# Altium PCB FlightControl.PcbDoc (part 1 of 4)
Units mil, origin at the board's own origin, x right, y up, seen from the top; angles counter-clockwise.
Board outline 3041.49 x 3041.4 mil, 2 copper layers (Top Layer, Bottom Layer); 85 components, 57 nets, 277 pads, 426 vias.
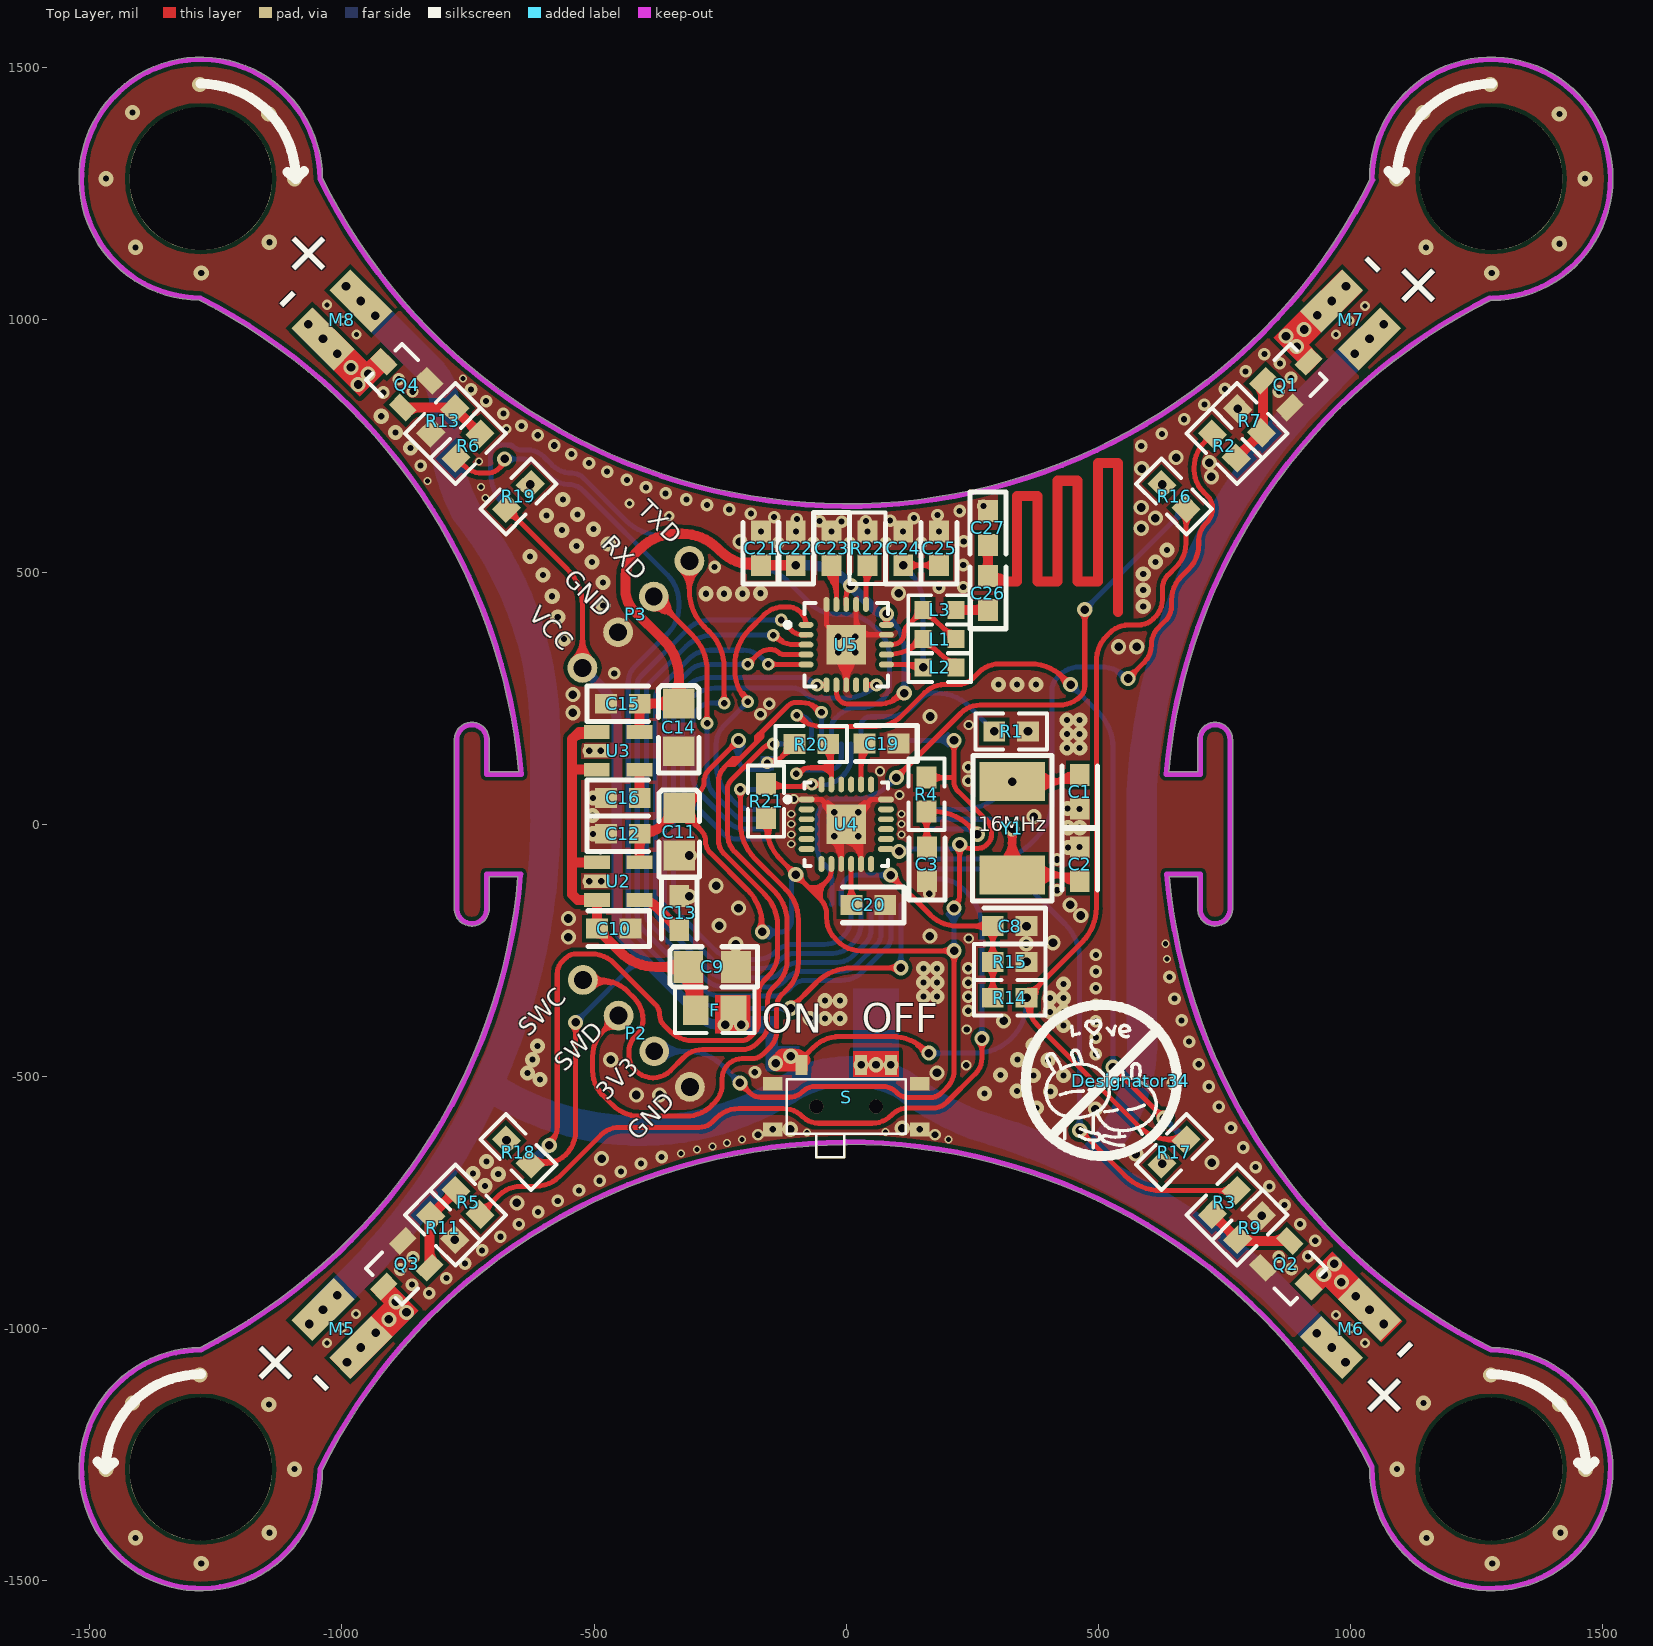
[diagram p0: Top Layer view]
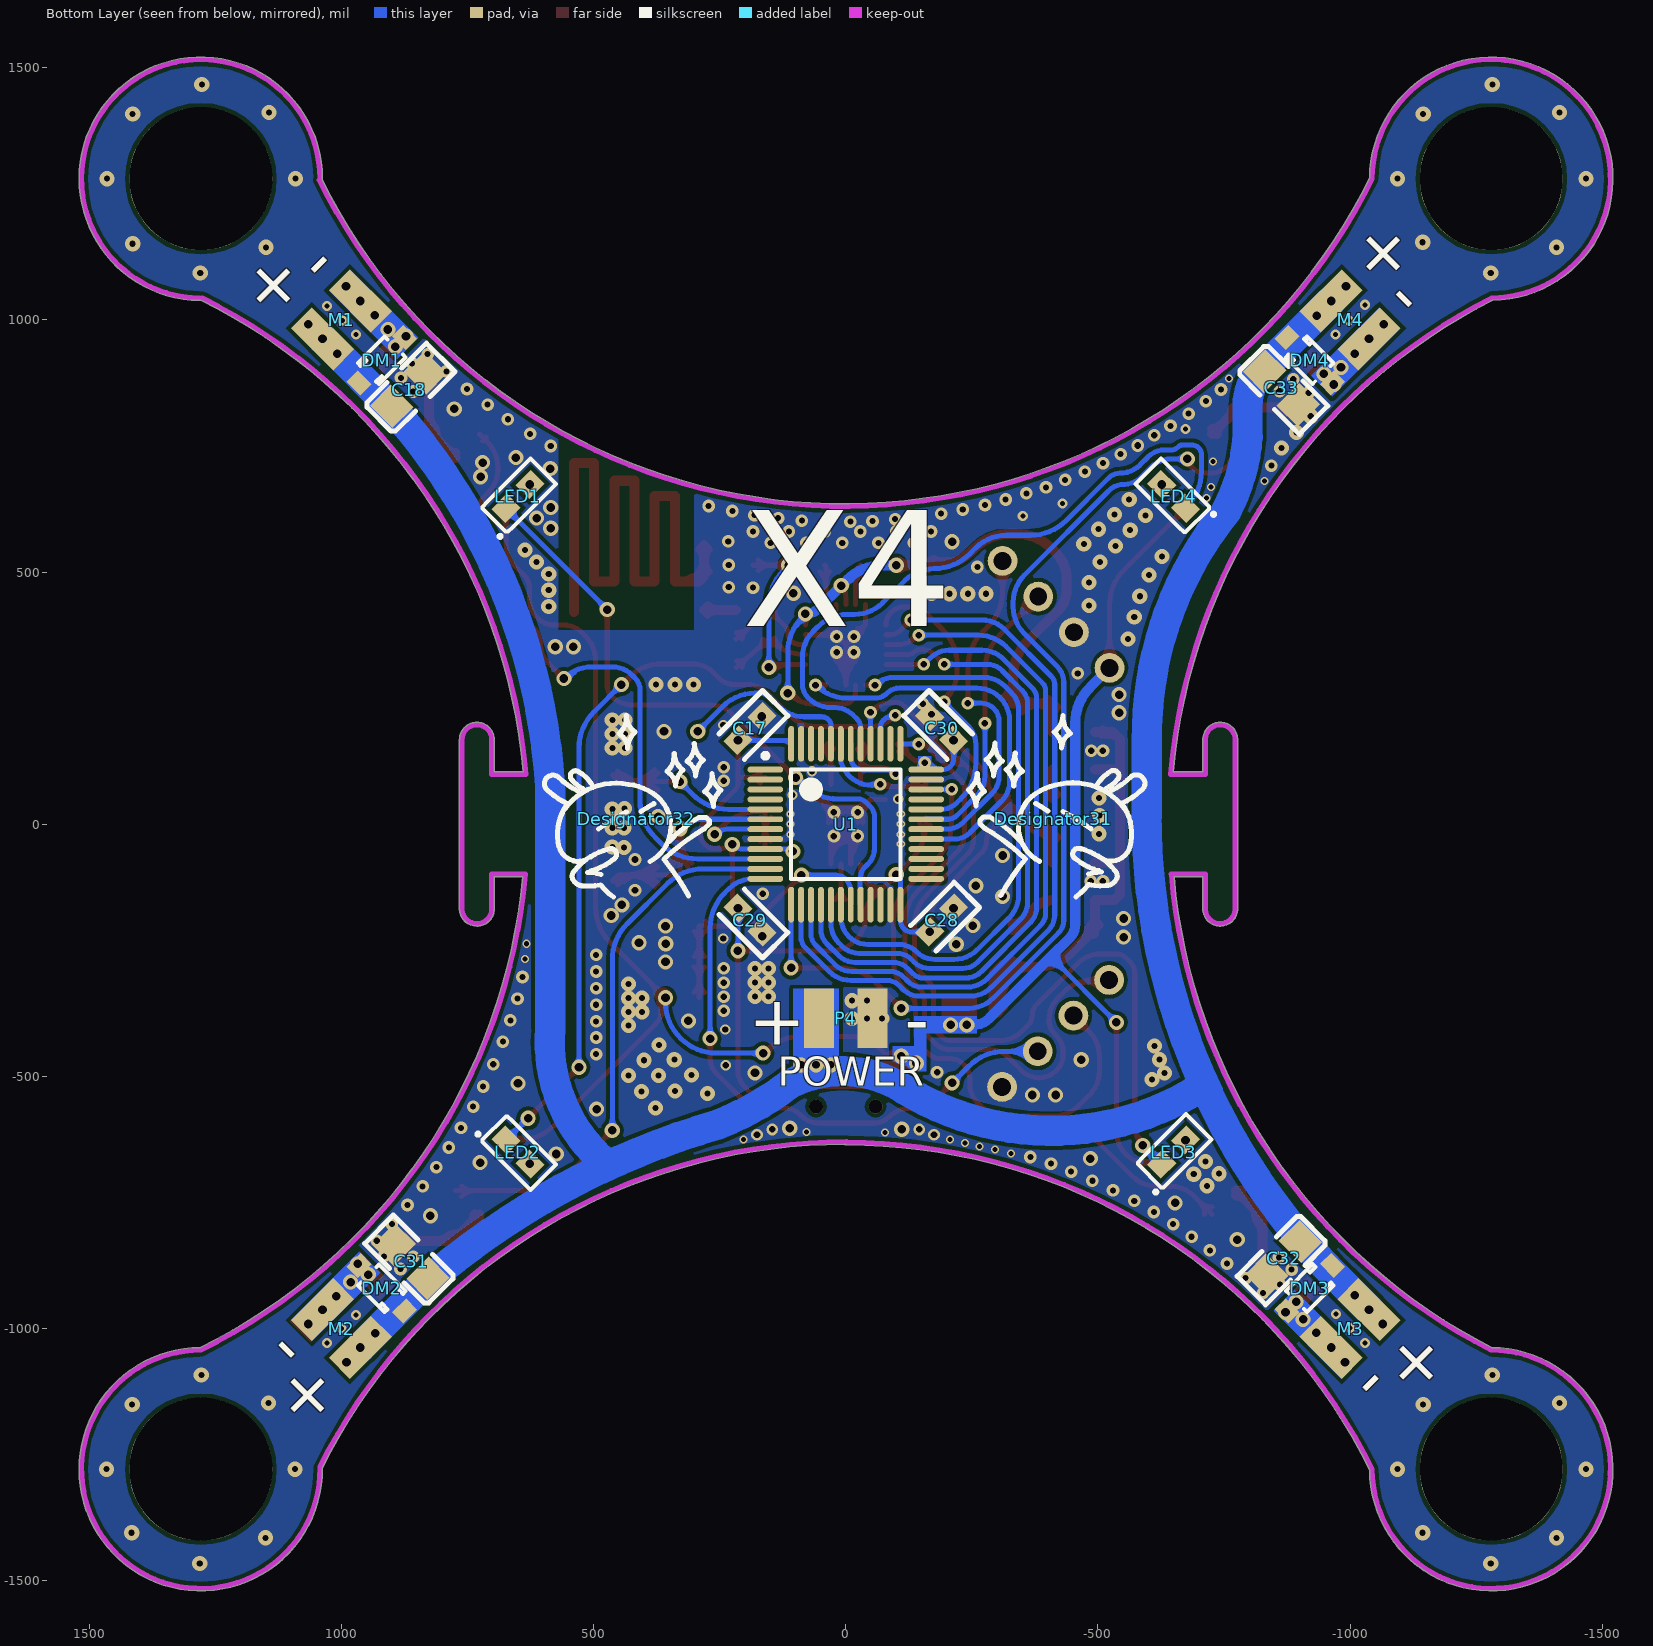
[diagram p1: Bottom Layer view, seen from below]
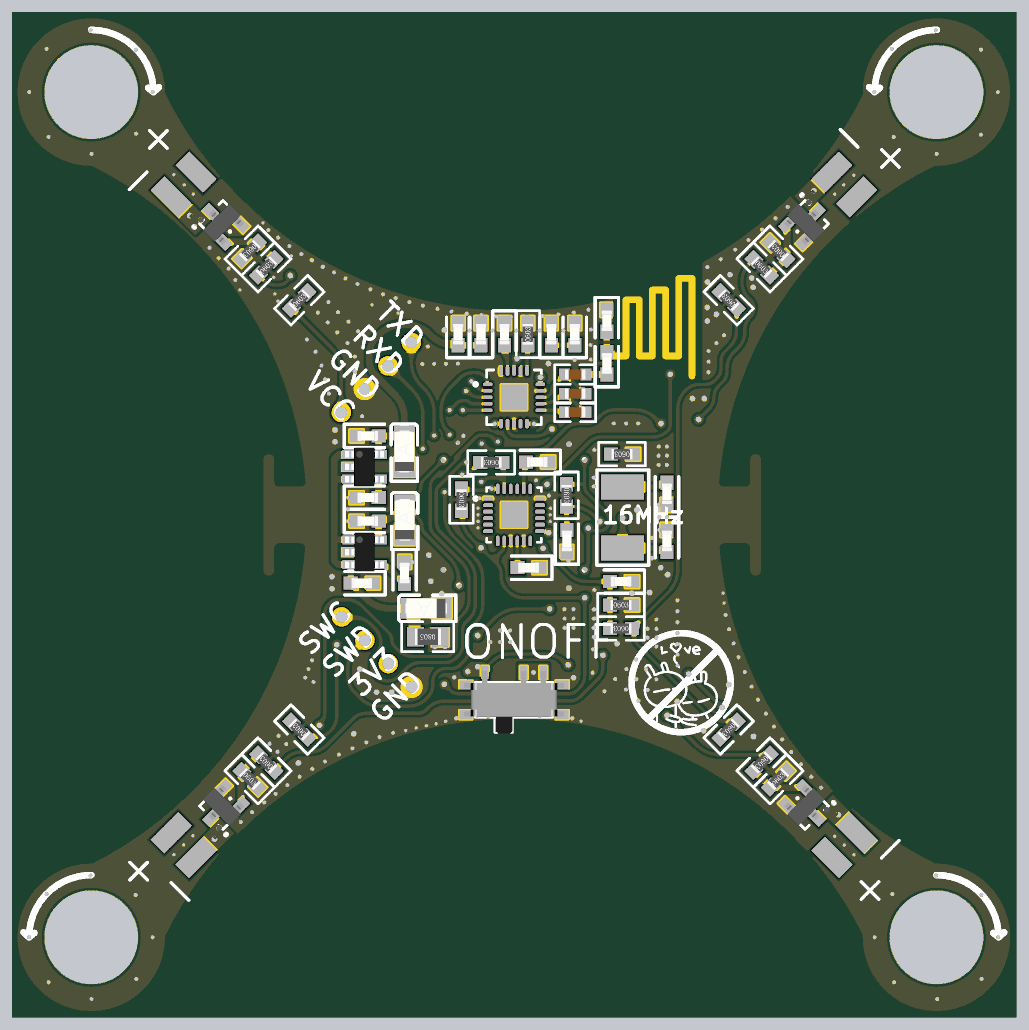
[diagram p5: 3D render of the assembled board from above, using the file's embedded part models]
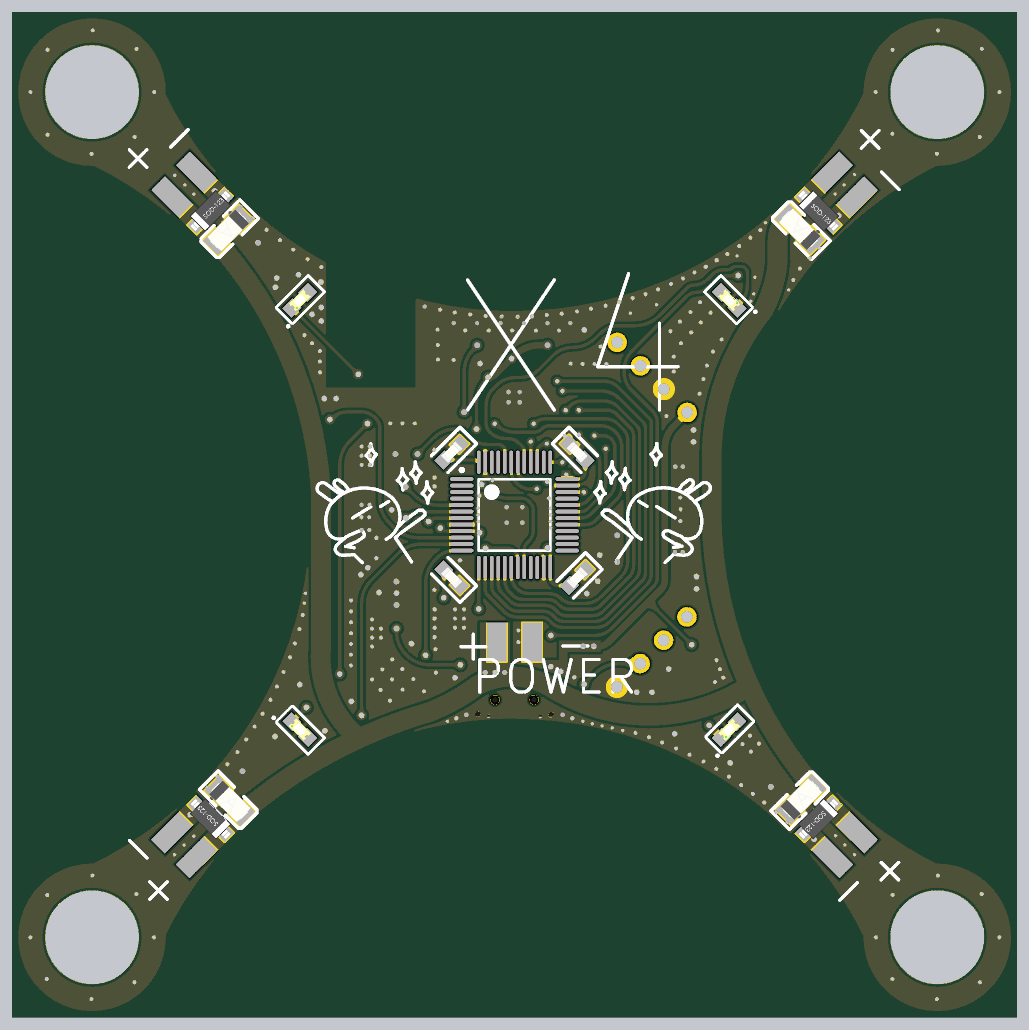
[diagram p6: 3D render of the assembled board from below, using the file's embedded part models]

## Layer stack, top to bottom
Top Layer: signal copper 1.4
Dielectric: dielectric 12.6, FR-4, Dk 4.8
Bottom Layer: signal copper 1.4

## Board outline
-1038.77,-1280.24 cw(c-1280,-1279.06) -1281.21,-1037.82 ccw(c-1811.32,-0.37) -650.9,-104.01 -707.98,-104.01 -707.98,-169.99 cw(c-713,-169.99) -708.33,-171.82 cw(c-742,-168) -743.09,-201.87 cw(c-743,-168) -776.64,-171.88 cw(c-772,-169.99) -777.02,-169.99 -777.02,168 cw(c-772,168) -776.84,169.29 cw(c-743,168) -742.41,201.86 cw(c-742.5,196.85) -742.25,201.86 cw(c-742,196.85) -742,201.87 cw(c-742,168) -708.36,171.88 cw(c-713,169.99) -707.98,169.99 -707.98,104.01 -649.67,104.01 ccw(c-1810.06,0) -1282.54,1038.77 cw(c-1280.27,1043.25) -1282.54,1038.78 cw(c-1280,1280) -1038.77,1281.18 ccw(c1.25,1796.17) -6.97,635.66 cw(c-7.01,630.64) -4.57,635.02 ccw(c0,1795.56) 1038.49,1277.49 cw(c1042.83,1280) 1037.82,1280 cw(c1279.06,1280) 1520.29,1280 cw(c1279.06,1280) 1281.13,1038.77 cw(c1281.09,1043.79) 1278.94,1039.25 cw(c1276.64,1043.71) 1278.87,1039.22 ccw(c1795.31,0) 639.51,104.01 696.99,104.01 696.99,169.99 cw(c702,169.99) 697.36,171.88 cw(c731,168) 731,201.87 cw(c731,196.85) 731.25,201.86 cw(c731.5,196.85) 731.41,201.86 cw(c732,168) 765.84,169.29 cw(c761,168) 766.01,168 766.01,-169.99 cw(c761,-169.99) 765.64,-171.88 cw(c732,-168) 732.09,-201.87 cw(c731,-168) 697.33,-171.82 cw(c702,-169.99) 696.99,-169.99 696.99,-104.01 640.91,-104.01 ccw(c1796.58,1.44) 1280.24,-1037.82 cw(c1279.06,-1279.06) 1520.29,-1279.06 cw(c1279.06,-1279.06) 1037.83,-1277.03 cw(c1042.84,-1277.07) 1037.91,-1276.16 ccw(c0,-1795) 2.34,-634.63 cw(c-1.01,-630.89) -1,-635.91 ccw(c0.54,-1796.28)

## Design rules (kind name [scope] priority, off if disabled: settings)
AcuteAngle [All] p1: minimum=6.00000000000000E+0001 checktracksonly=FALSE
Clearance [All] p1: gap=7.87
ComponentClearance [All] p1: gap=0 collisioncheckmode=3 verticalgap=0 showdistances=FALSE
MinimumSolderMaskSliver [All] p1: minsoldermaskwidth=4
PolygonConnect [All] p1: connectstyle=Direct reliefconductorwidth=10 reliefentries=4 polygonreliefangle="90 Angle" airgapwidth=10
RoutingVias [All] p1: holewidth=17 width=30 viastyle="Through Hole" minholewidth=8 minwidth=16 maxholewidth=28 maxwidth=50
SilkToSilkClearance [All] p1: silktosilkclearance=0
SilkToSolderMaskClearance [IsPad] p1: minsilkscreentomaskgap=0 clearancetoexposedcopper=TRUE
SolderMaskExpansion [All] p1: expansion=4
Width Width_1 [All] p1: maxlimit=100 minlimit=10 preferedwidth=10
24 further rules are at their usual default settings.

## Classes and differential pairs
component class mini四轴: C1 C2 C3 C8 C9 C10 C11 C12 C14 C15 C16 C17 C19 C20 C21 C22 C23 C24 C25 C26 C27 C28 DM1 DM2 DM3 DM4 F L1 L2 L3 LED1 LED2 LED3 LED4 M1 M2 M3 M4 P2 P4 Q1 Q2 Q3 Q4 R1 R2 R3 R4 R5 R6 R7 R9 R11 R13 R14 R15 R16 R17 R18 R19 R20 R21 R22 S U1 U2 U3 U4 U5 Y1

## Components (designator, comment, footprint, x,y, rotation, side; value= is the part's Value field where it differs from the comment)
C1 "22pF" CC1608-0603 463,64 r90 top locked
C2 "22pF" CC1608-0603 463,-79 r270 top locked
C3 "104" CC1608-0603 160,-79 r90 top
C8 "104" CC1608-0603 324,-202 r180 top
C9 "4.7μF" TAN-A-3216 -266,-283 r180 top
C10 "104" CC1608-0603 -461,-207 r180 top
C11 "10μF" TAN-A-3216 -331,-15 r90 top
C12 "104" CC1608-0603 -443,-19 r0 top (schematic designator C17)
C13 "104" CC1608-0603 -331,-176 r270 top
C14 "10μF" TAN-A-3216 -332,192 r90 top
C15 "104" CC1608-0603 -443,239 r0 top
C16 "104" CC1608-0603 -443,52 r0 top
C17 "104" CC1608-0603 190,190 r315 bottom locked (schematic designator C12)
C18 "4.7μF" TAN-A-3216 867,862 r315 bottom (schematic designator C9)
C19 "2200pF" CC1608-0603 70,160 r180 top
C20 "104" CC1608-0603 44,-160 r180 top
C21 "10nF" CC1608-0603 -169,547 r90 top
C22 "1nF" CC1608-0603 -100,547 r90 top
C23 "33nF" CC1608-0603 -29,547 r270 top
C24 "2.2nF" CC1608-0603 113,547 r90 top
C25 "4.7pF" CC1608-0603 184,547 r90 top
C26 "1.5pF" CC1608-0603 281,458.46 r90 top locked
C27 "1.0pF" CC1608-0603 281,587.46 r270 top locked
C28 "104" CC1608-0603 -190,-190 r315 bottom
C29 "104" CC1608-0603 190,-190 r45 bottom locked (schematic designator C12)
C30 "104" CC1608-0603 -190,190 r225 bottom locked (schematic designator C12)
C31 "4.7μF" TAN-A-3216 862,-867 r225 bottom (schematic designator C9)
C32 "4.7μF" TAN-A-3216 -868,-861 r135 bottom (schematic designator C9)
C33 "4.7μF" TAN-A-3216 -864,865 r45 bottom (schematic designator C9)
Designator31 "Comment" TUSIJI_2 -411.14,11 r180 bottom
Designator32 "Comment" TUSIJI_2 415.68,10.43 r0 bottom
Designator34 "Comment" TUSIJI_24 564,-509 r0 top
DM1 "1N5817" "SOD-123 (1206)" 920.15,919.85 r315 bottom locked
DM2 "1N5817" "SOD-123 (1206)" 919.85,-920.15 r225 bottom locked
DM3 "1N5817" "SOD-123 (1206)" -920.15,-919.85 r135 bottom locked
DM4 "1N5817" "SOD-123 (1206)" -919.85,920.15 r45 bottom locked
F "500mA" CR2012-0805 -261,-369 r180 top
L1 "8.2nH" CC1608[0603] 185,367 r0 top locked
L2 "2.7nH" CC1608[0603] 185,311 r0 top locked
L3 "3.9nH" CC1608[0603] 185,425 r180 top locked
LED1 "LED Chip" CLED1608-0603 650,650 r315 bottom locked
LED2 "LED Chip" CLED1608-0603 650,-650 r45 bottom locked
LED3 "LED Chip" CLED1608-0603 -650,-650 r315 bottom locked
LED4 "LED Chip" CLED1608-0603 -650,650 r225 bottom locked
M1 "电机" TAN-B-3528 1000,1000 r315 bottom locked
M2 "电机" TAN-B-3528 1000,-1000 r225 bottom locked
M3 "电机" TAN-B-3528 -1000,-1000 r135 bottom locked
M4 "电机" TAN-B-3528 -1000,1000 r45 bottom locked
M5 "电机" TAN-B-3528 -1000,-1000 r135 top locked (schematic designator M3)
M6 "电机" TAN-B-3528 1000,-1000 r225 top locked (schematic designator M3)
M7 "电机" TAN-B-3528 1000,1000 r315 top locked (schematic designator M3)
M8 "电机" TAN-B-3528 -1000,1000 r45 top locked (schematic designator M3)
P2 "SWD" HDR1X4 -310,-521 r135 top locked
P3 "USART" HDR1X4 -523,310 r45 top locked
P4 "电池" TAN-B-3528 0,-385 r0 bottom locked
Q1 "SI2302" SOT23 885,885 r315 top
Q2 "SI2302" SOT23 885,-885 r225 top
Q3 "SI2302" SOT23 -885,-885 r135 top
Q4 "SI2302" SOT23 -885,885 r45 top
R1 "10K" CR1608-0603 327,184 r180 top
R2 "10Ω" CR1608-0603 750,750 r315 top
R3 "10Ω" CR1608-0603 750,-750 r225 top locked
R4 "10K" CR1608-0603 159,59 r270 top
R5 "10Ω" CR1608-0603 -750,-750 r135 top locked
R6 "10Ω" CR1608-0603 -750,750 r45 top locked
R7 "10K" CR1608-0603 800,800 r135 top locked
R9 "10K" CR1608-0603 800,-800 r45 top locked
R11 "10K" CR1608-0603 -800,-800 r315 top locked
R13 "10K" CR1608-0603 -800,800 r225 top locked
R14 "10K" CR1608-0603 324,-344 r180 top
R15 "10K" CR1608-0603 324,-273 r0 top
R16 "500Ω" CR1608-0603 650,650 r135 top locked
R17 "500Ω" CR1608-0603 650,-650 r225 top locked
R18 "500Ω" CR1608-0603 -650,-650 r135 top locked
R19 "500Ω" CR1608-0603 -650,650 r45 top locked
R20 "10K" CR1608-0603 -69,159 r180 top
R21 "10K" CR1608-0603 -159,46 r270 top
R22 "22K" CR1608-0603 42,547 r90 top
S "电源开关" MSK-12C02-1 0,-560 r0 top locked
U1 "STM32F103C8T6" LQFP48_N 0,0 r180 bottom locked
U2 "SP6201EM5-L-3.3" SO-G5/NS -452,-113 r90 top
U3 "SP6201EM5-L-3.3" SO-G5/NS -452.32,145.6 r90 top
U4 "MPU-6050" QFN50P400X400X95-24N 0,0 r0 top locked
U5 "nRF24L01+" QFN50P400X400-20V5N 0,356 r0 top locked
Y1 "16MHz" TAN-C-6032 329,-8 r90 top locked

## Footprints (in the part's own frame and the unit in brackets; to place one, negate y for a bottom-side part, rotate by r counter-clockwise, add the part's x,y. Pads: shape width x height; smd on the part's side, far side on the other; paste and mask are expansions set on the pad)
CC1608-0603 [mm]
  rect 1.1x1 smd: 1(-0.85,0) 2(0.85,0)
  silkscreen extent -1.8,-0.9 1.3,0.9, body extent -0.8,-0.4 0.8,0.4, height 0.3
CC1608[0603] [mm] "Chip Capacitor SMD 2012(Metric) SMD 0805(Inch) 2 mm x 1.25 mm (LxW)"
  rect 0.85x0.9 smd: 1(-0.825,0) 2(0.825,0)
  silkscreen extent -1.57,-0.74 1.57,0.74, body extent -0.8,-0.4 0.8,0.4, height 0.6
CLED1608-0603 [mm]
  rect 1.1x1 smd: 1(-0.85,0) 2(0.85,0)
  silkscreen extent -1.8,-0.9 2.11,0.9, body extent -0.8,-0.4 0.8,0.4, height 0.6
CR1608-0603 [mm]
  rect 1.1x1 smd: 1(-0.85,0) 2(0.85,0)
  silkscreen extent -1.8,-0.9 1.8,0.9, body extent -0.8,-0.4 0.8,0.4, height 0.45
CR2012-0805 [mm]
  rect 1.3x1.5 smd: 1(-0.95,0) 2(0.95,0)
  silkscreen extent -2,-1.15 2,1.15, body extent -1,-0.63 1,0.63, height 0.55
HDR1X4 [mm] "Connector; Header; 4 Position"
  round 1.5 hole 0.9: 1(0,0) 2(2.54,0) 3(5.08,0) 4(7.62,0)
LQFP48_N [mm]
  oval 1.8x0.3 smd: 1(-4.05,2.75) 2(-4.05,2.25) 3(-4.05,1.75) 4(-4.05,1.25) 5(-4.05,0.75) 6(-4.05,0.25) 7(-4.05,-0.25) 8(-4.05,-0.75) 9(-4.05,-1.25) 10(-4.05,-1.75) 11(-4.05,-2.25) 12(-4.05,-2.75) 25(4.05,-2.75) 26(4.05,-2.25) 27(4.05,-1.75) 28(4.05,-1.25) 29(4.05,-0.75) 30(4.05,-0.25) 31(4.05,0.25) 32(4.05,0.75) 33(4.05,1.25) 34(4.05,1.75) 35(4.05,2.25) 36(4.05,2.75)
  oval 0.3x1.8 smd: 13(-2.75,-4.05) 14(-2.25,-4.05) 15(-1.75,-4.05) 16(-1.25,-4.05) 17(-0.75,-4.05) 18(-0.25,-4.05) 19(0.25,-4.05) 20(0.75,-4.05) 21(1.25,-4.05) 22(1.75,-4.05) 23(2.25,-4.05) 24(2.75,-4.05) 37(2.75,4.05) 38(2.25,4.05) 39(1.75,4.05) 40(1.25,4.05) 41(0.75,4.05) 42(0.25,4.05) 43(-0.25,4.05) 44(-0.75,4.05) 45(-1.25,4.05) 46(-1.75,4.05) 47(-2.25,4.05) 48(-2.75,4.05)
  silkscreen extent -4.18,-2.75 2.75,3.57
MSK-12C02-1 [mm]
  round 0.7 hole 0.7: 0(-1.5,0) 0(1.5,0)
  rect 0.6x1 smd: 1(-2.25,2.1) 2(0.75,2.1) 3(2.25,2.1)
  rect 1x0.7 smd: 4(-3.7,-1.15) 4(-3.7,1.15) 4(3.7,-1.15) 4(3.7,1.15)
  silkscreen extent -3,-2.54 3,1.38, body extent -3.85,-2.6 3.85,2.2, height 1.4
QFN50P400X400-20V5N [mm]
  oval 0.75x0.3 smd: 1(-2.025,1) 2(-2.025,0.5) 3(-2.025,0) 4(-2.025,-0.5) 5(-2.025,-1) 11(2.025,-1) 12(2.025,-0.5) 13(2.025,0) 14(2.025,0.5) 15(2.025,1)
  oval 0.3x0.75 smd: 6(-1,-2.025) 7(-0.5,-2.025) 8(0,-2.025) 9(0.5,-2.025) 10(1,-2.025) 16(1,2.025) 17(0.5,2.025) 18(0,2.025) 19(-0.5,2.025) 20(-1,2.025)
  rect 2x2 smd: 21(0,0)
  silkscreen extent -3.07,-2.1 2.1,2.1, body extent -2.07,-2.07 2.07,2.07, height 1
QFN50P400X400X95-24N [mm] "QFN, 24-Leads, Body 4.1x4.1mm (max), Pitch 0.50mm, IPC Medium Density"
  oval 0.8x0.3 smd: 1(-2,1.25) 2(-2,0.75) 3(-2,0.25) 4(-2,-0.25) 5(-2,-0.75) 6(-2,-1.25) 13(2,-1.25) 14(2,-0.75) 15(2,-0.25) 16(2,0.25) 17(2,0.75) 18(2,1.25)
  oval 0.3x0.8 smd: 7(-1.25,-2) 8(-0.75,-2) 9(-0.25,-2) 10(0.25,-2) 11(0.75,-2) 12(1.25,-2) 19(1.25,2) 20(0.75,2) 21(0.25,2) 22(-0.25,2) 23(-0.75,2) 24(-1.25,2)
  rect 2x2 smd: 25(0,0)
  silkscreen extent -3.07,-2.1 2.1,2.1, body extent -2.08,-2.07 2.07,2.07, height 1
SO-G5/NS [mm] "SOT-23; 5 Leads; Body 3 x 3 mm, inc. leads (modified)"
  rect 0.69x1.3 smd: 1(0.95,1.075) 2(0,1.075) 3(-0.95,1.075) 4(-0.95,-1.075) 5(0.95,-1.075)
  silkscreen extent -1.5,-0.9 1.55,1.35, body extent -1.5,-1.5 1.5,1.5, height 1.3
"SOD-123 (1206)" [mm]
  rect 0.8x1 smd: 1(-1.62,0) 2(1.62,0)
  silkscreen extent -0.95,-0.75 0.95,0.75, body extent -1.92,-0.86 1.93,0.84, height 1.42
SOT23 [mm] "SOT-23; 3 Leads; Body 3.0 x 2.3 mm, inc. leads (LxW max)"
  rect 0.8x1.2 smd: 1(-0.95,-1.15) 2(0.95,-1.15) 3(0,1.15)
  silkscreen extent -1.28,-0.01 1.27,1.14, body extent -1.46,-1.28 1.46,1.2, height 1
TAN-A-3216 [mm]
  rect 1.5x1.6 smd: 1(-1.2,0) 2(1.2,0)